# Altium PCB (Poly)TC364_MainBoard_PCB_V1.2.PcbDoc
Units mil, origin at the board's own origin, x right, y up, seen from the top; angles counter-clockwise.
Board outline 3464.57 x 2519.68 mil, 4 copper layers (Top Layer, GND02, POW03, Bottom Layer); 72 components, 69 nets, 284 pads, 57 vias.
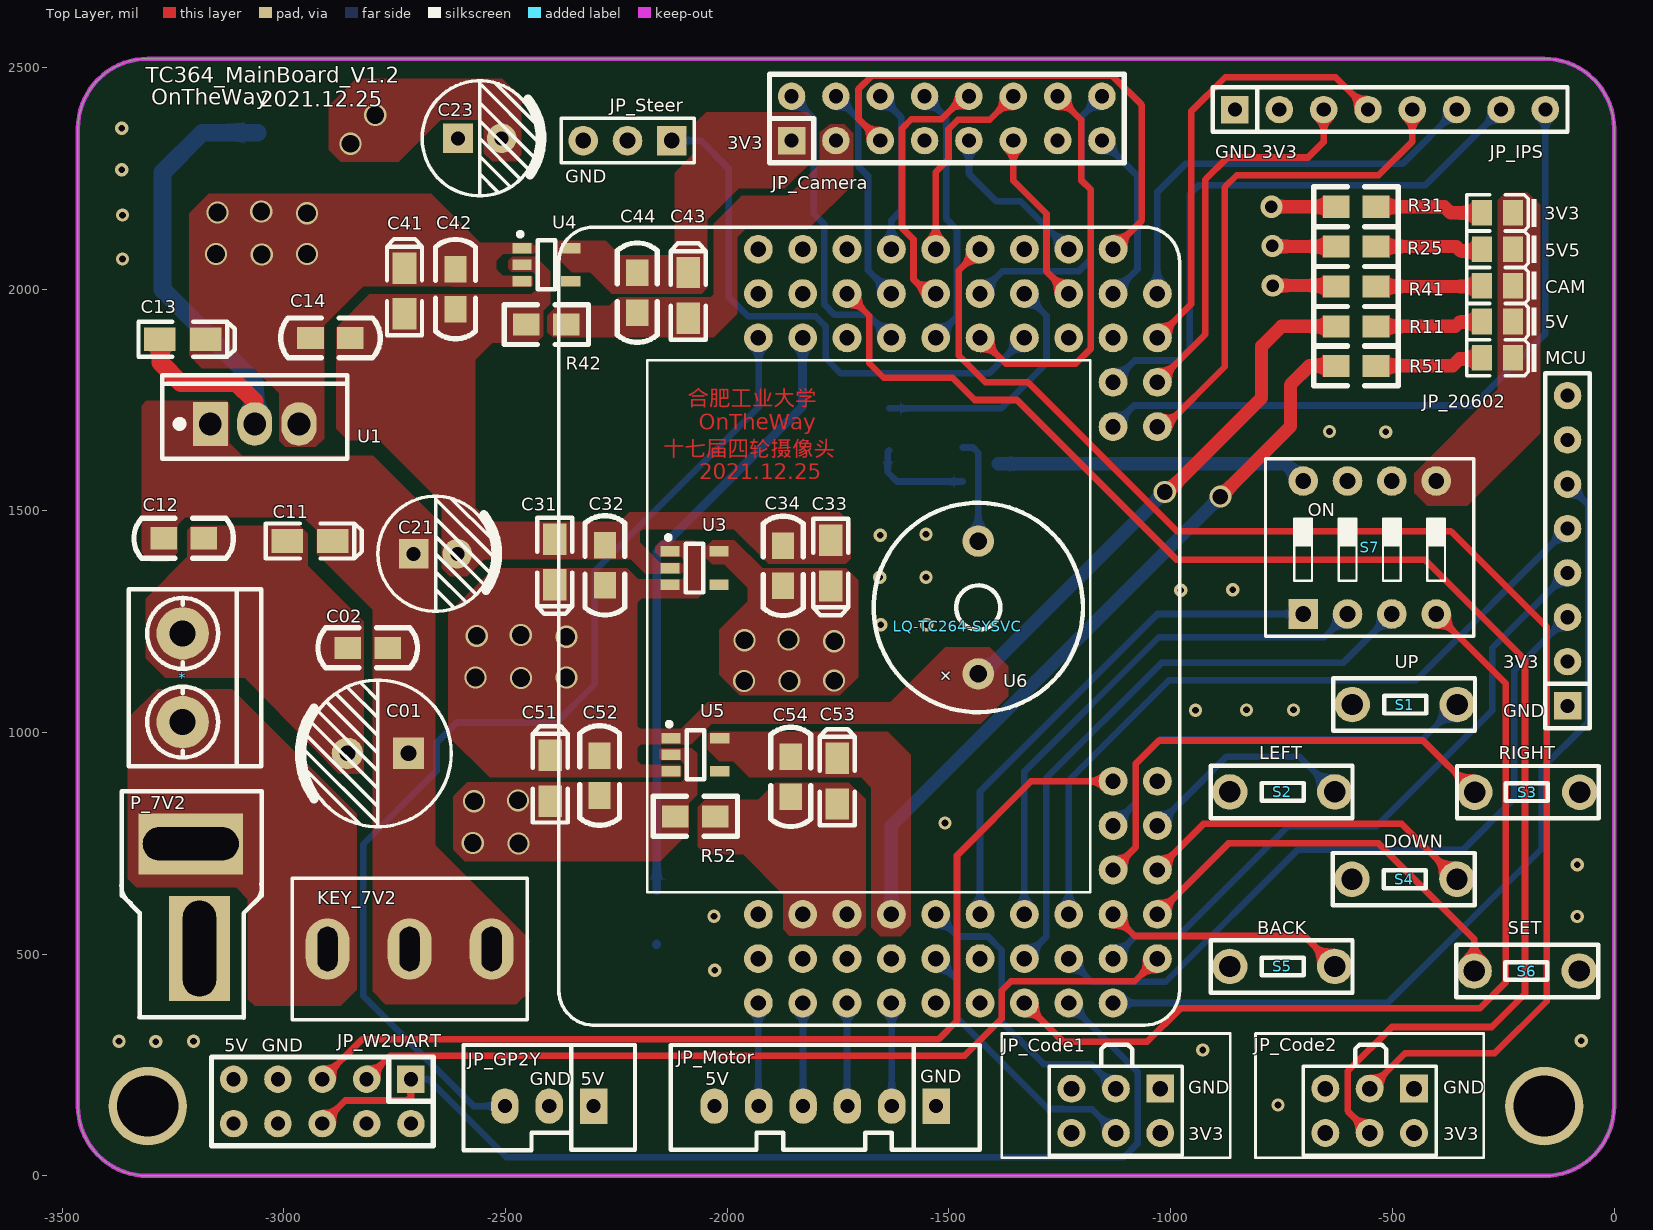
[diagram p0: Top Layer view]
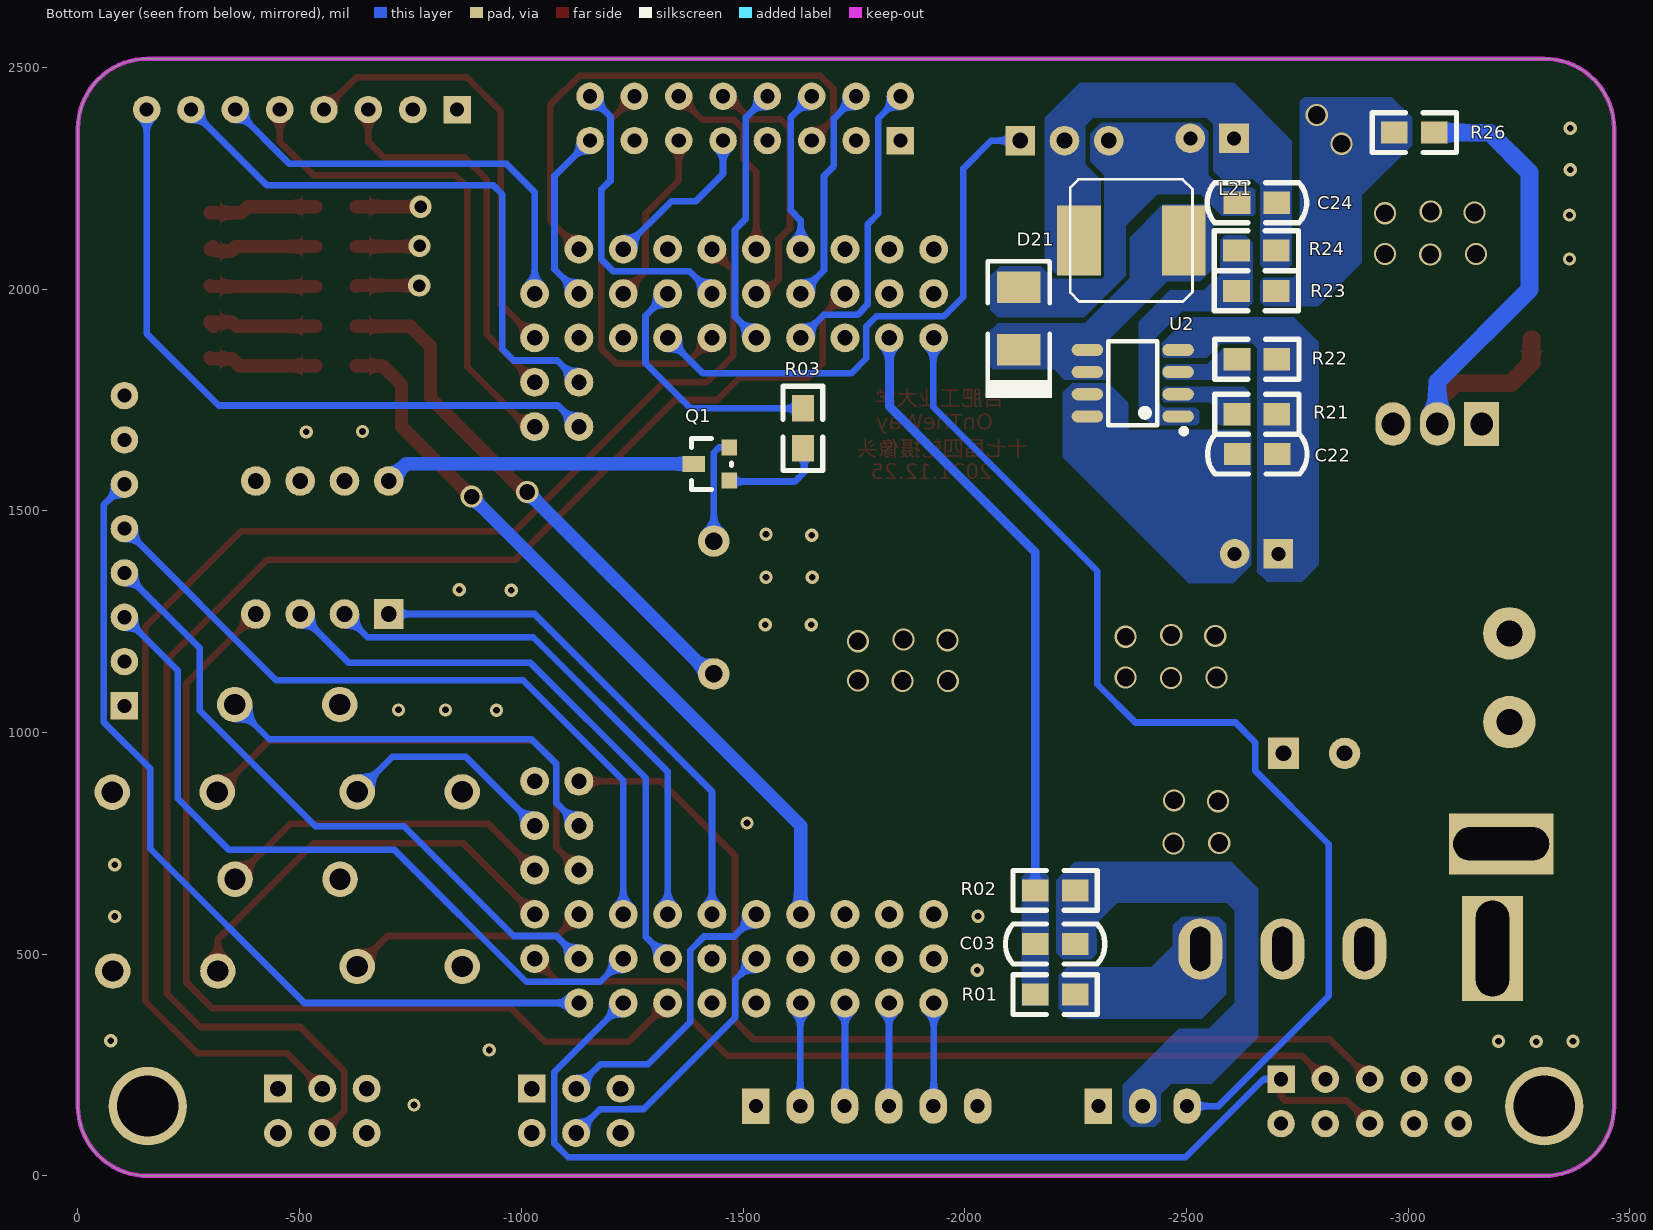
[diagram p1: Bottom Layer view, seen from below]
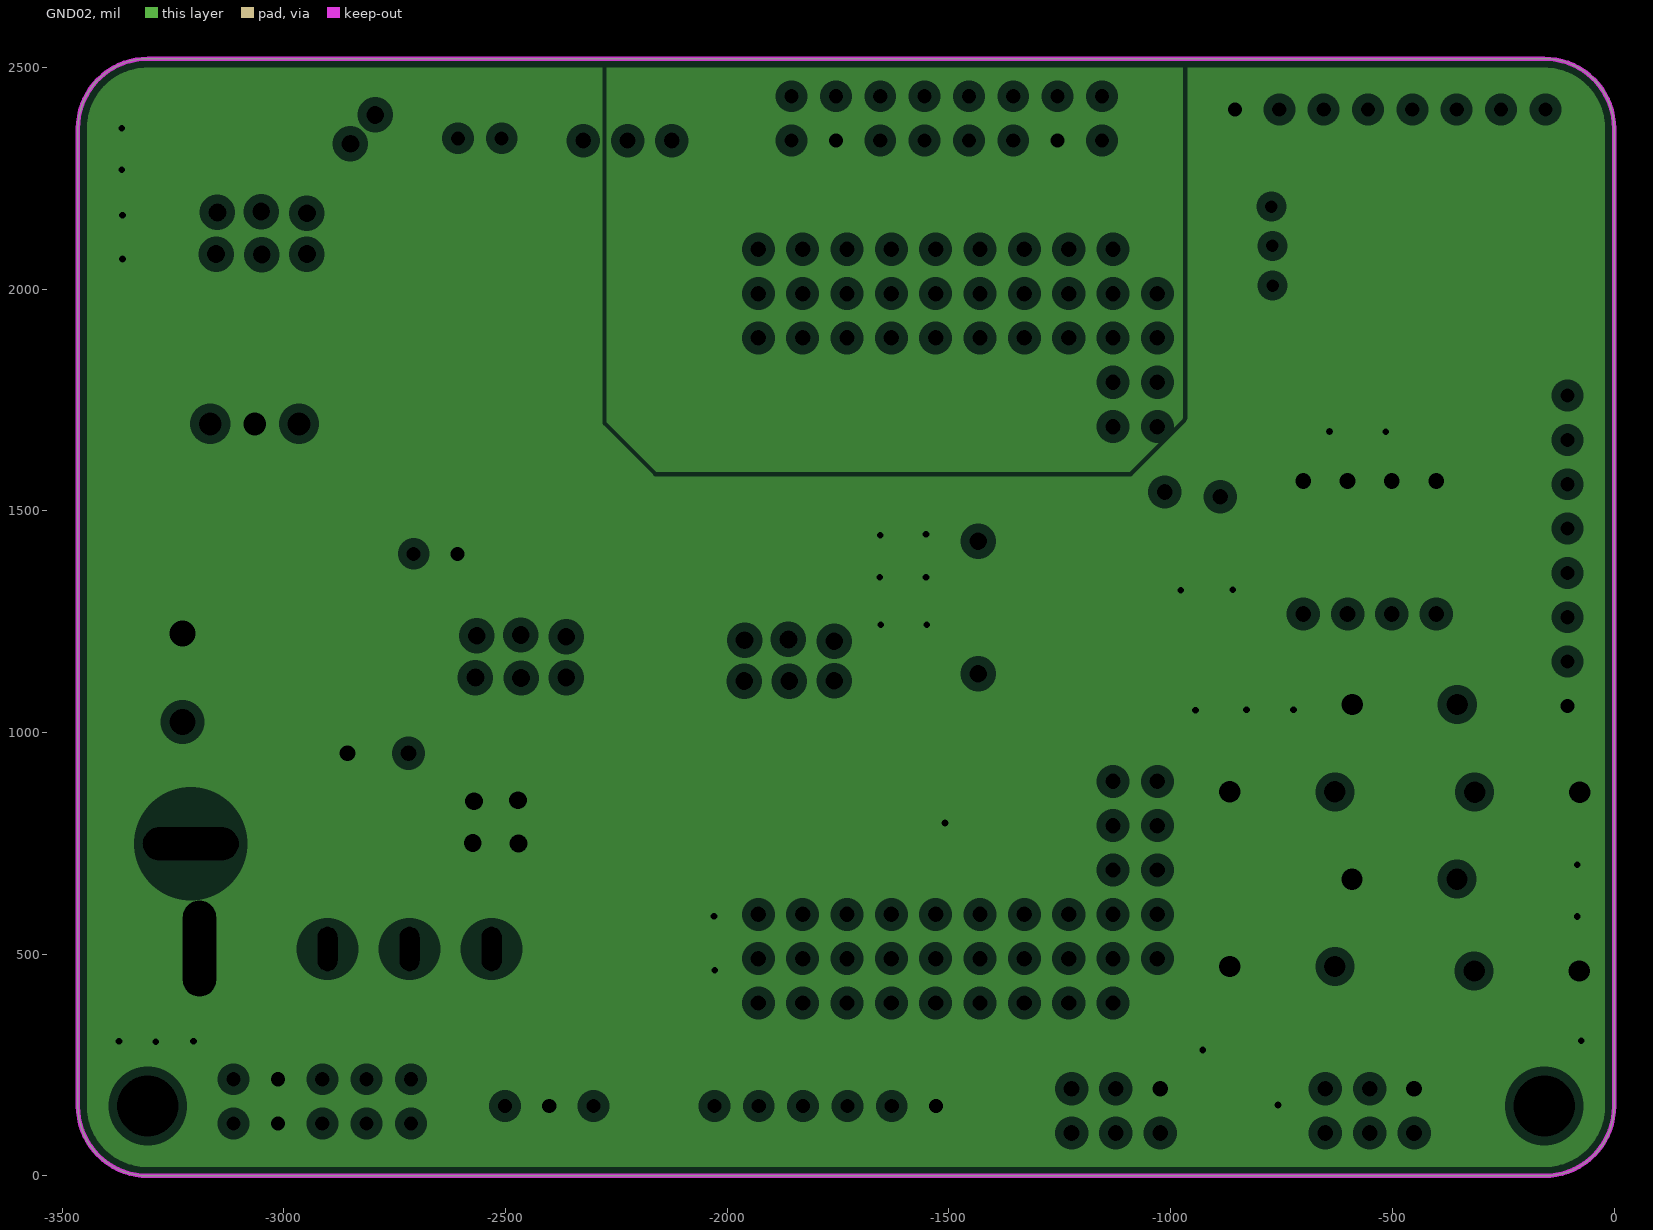
[diagram p2: GND02, clearances drawn from the general rule]
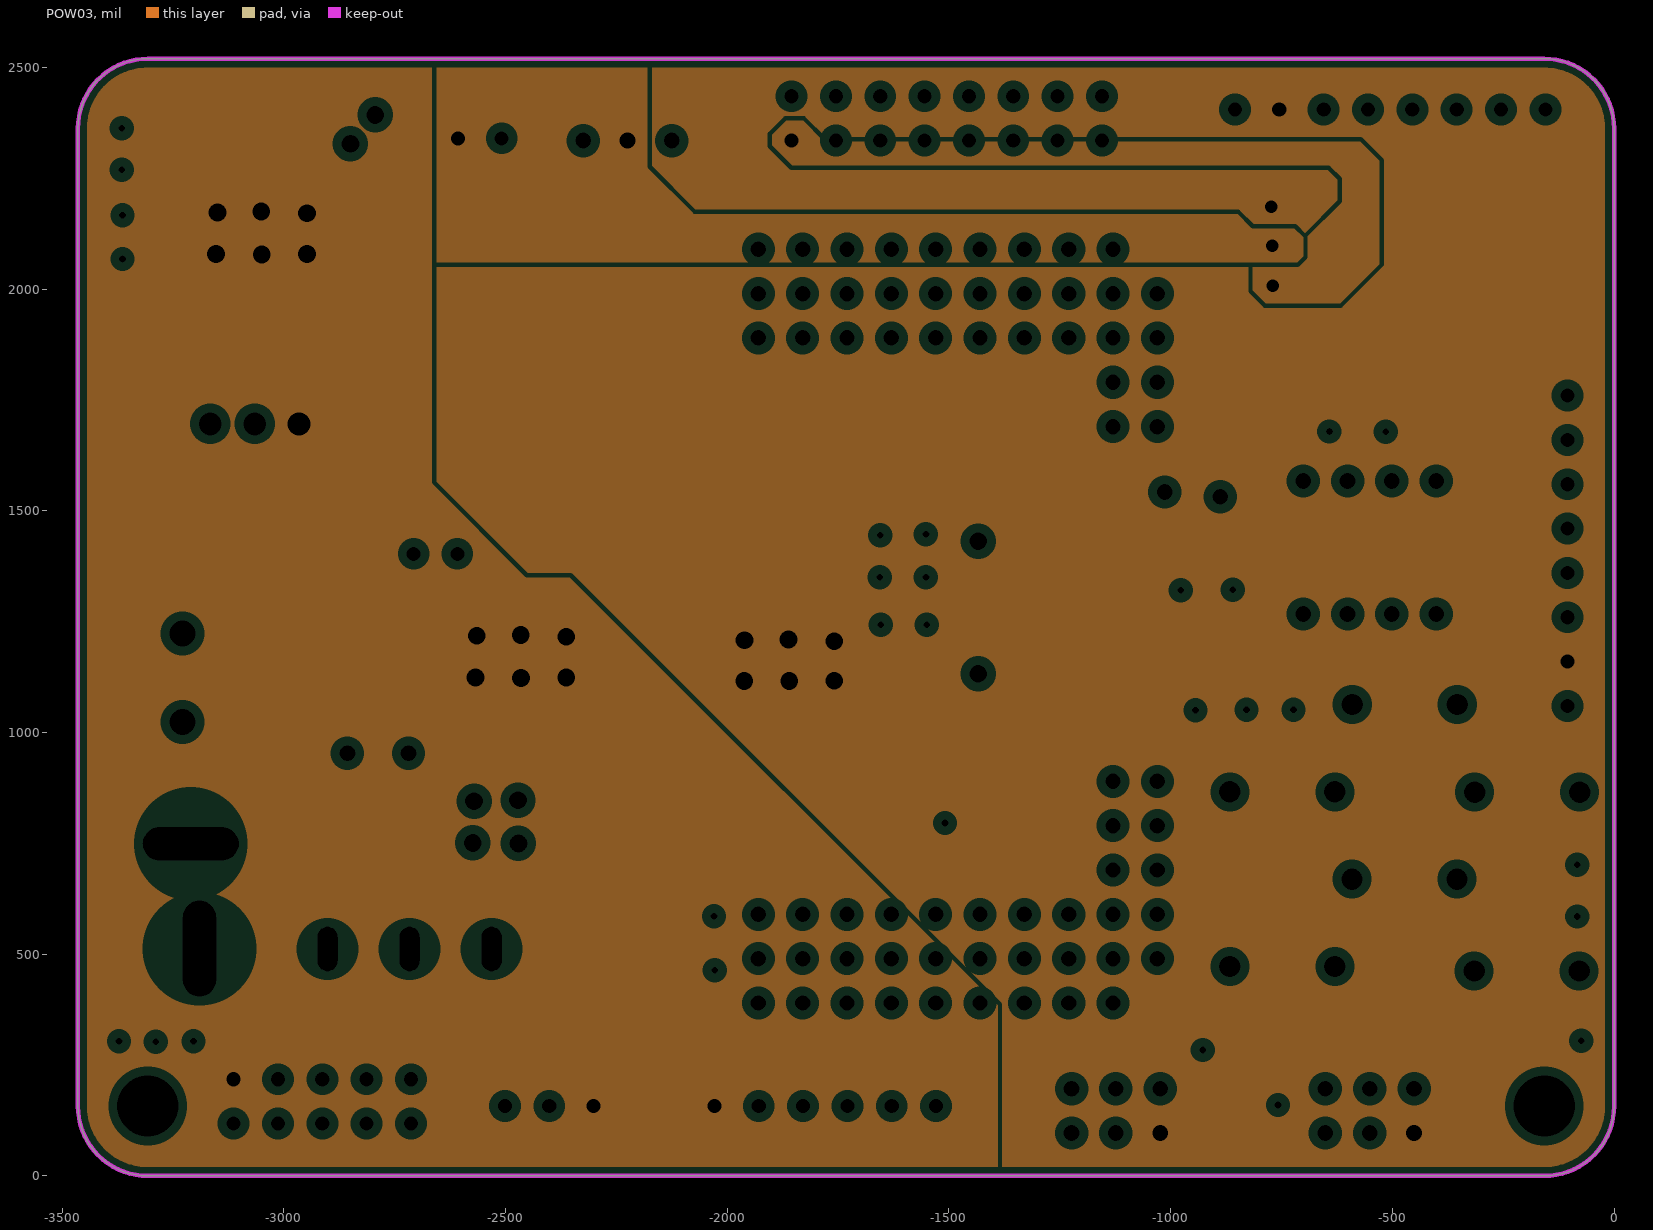
[diagram p3: POW03, clearances drawn from the general rule]

## Layer stack, top to bottom
Top Solder: solder mask 0.4, Solder Resist, Dk 3.5
Top Layer: signal copper 1.4
Dielectric 1: dielectric 12.6, FR-4, Dk 4.8
GND02: plane copper 1.4, net GND
Dielectric2: dielectric 12.6, FR-4, Dk 4.8
POW03: plane copper 1.4, net VCC3V3
Dielectric3: dielectric 12.6, FR-4, Dk 4.8
Bottom Layer: signal copper 1.4
Bottom Solder: solder mask 0.4, Solder Resist, Dk 3.5

## Board outline
-3464.57,157.48 -3464.57,2362.2 cw(c-3307.09,2362.2) -3307.09,2519.68 -157.48,2519.68 cw(c-157.48,2362.2) 0,2362.2 0,159.68 0,157.48 cw(c-157.48,157.48) -157.48,0 -3307.09,0 cw(c-3307.09,157.48)

## Design rules (kind name [scope] priority, off if disabled: settings)
Clearance [All] p1: gap=2 ignorepadtopadclearanceinfootprint=FALSE
HoleSize [All] p1 off: absolutevalues=TRUE maxlimit=100 minlimit=1 maxpercent=80.000 minpercent=20.000
MinimumSolderMaskSliver [All] p1: minsoldermaskwidth=2
PlaneClearance [All] p1: clearance=20
PlaneConnect [All] p1: planeconnectstyle=Direct reliefexpansion=20 reliefentries=4 reliefconductorwidth=10 reliefairgap=10
PolygonConnect [All] p1: connectstyle=Direct reliefconductorwidth=10 reliefentries=4 polygonreliefangle="90 Angle" airgapwidth=10
RoutingVias [All] p1: holewidth=28 width=50 viastyle="Through Hole" minholewidth=28 minwidth=50 maxholewidth=28 maxwidth=50
SilkToSilkClearance [All] p1 off: silktosilkclearance=10
SilkToSolderMaskClearance [IsPad] p1 off: minsilkscreentomaskgap=10 clearancetoexposedcopper=TRUE
SolderMaskExpansion [All] p1: expansion=4
Width [All] p1: maxlimit=50 minlimit=10 preferedwidth=10
24 further rules are at their usual default settings.

## Classes and differential pairs
component class TC364_MainBoard_Singal_V1.1: C03 JP_20602 JP_Camera JP_Code1 JP_Code2 JP_GP2Y JP_IPS JP_Motor JP_Steer JP_W2UART LEFT Q1 R01 R02 R03 S1 S2 S3 S4 S5 S6 S7 U6 UP
component class TC364_MainBoard_Power_V1.1: 3V3 5V 5V5 * C01 C02 C11 C12 C13 C14 C21 C22 C23 C24 C31 C32 C33 C34 C41 C42 C43 C44 C51 C52 C53 C54 CAM D21 KEY_7V2 L21 MCU P_7V2 R11 R21 R22 R23 R24 R25 R26 R31 R41 R42 R51 R52 U1 U2 U3 U4 U5

## Components (designator, comment, footprint, x,y, rotation, side; value= is the part's Value field where it differs from the comment)
3V3 "LED" 0805_LED_S1 -263,2172 r180 top (schematic designator D_3V3)
5V "LED" 0805_LED_S1 -263,1927 r180 top (schematic designator D_5V)
5V5 "LED" 0805_LED_S1 -263.04,2090 r180 top (schematic designator D_5V5)
* "KCF301" KF301-2P -3228.35,1123.62 r0 top
C01 "680uF/16V" "CAP 3.5*8*11.5 - GD" -3295.68,807.33 r0 top
C02 "0.1uF" 0805C -2766,1191 r180 top
C03 "0.1uF" 0805C -2159,523 r180 bottom
C11 "10uF/16V" CASE-A_3216 -2941,1432 r0 top
C12 "0.1uF" 0805C -3271,1438 r0 top
C13 "10uF/16V" CASE-A_3216 -3228,1887 r0 top
C14 "0.1uF" 0805C -2940,1890 r0 top
C21 "330uF/16V" "CAP 2.5*6.3*11.2 - BK" -2658,1403 r0 top
C22 "0.1uF" 0805C -2705,1628 r0 bottom
C23 "330uF/16V" "CAP 2.5*6.3*11.2 - BK" -2558.21,2340 r0 top
C24 "0.1uF" 0805C -2704,2195 r0 bottom
C31 "10uF/16V" CASE-A_3216 -2389,1384.57 r270 top
C32 "0.1uF" 0805C -2276,1332 r90 top
C33 "10uF/16V" CASE-A_3216 -1767,1382 r270 top
C34 "0.1uF" 0805C -1874,1331 r90 top
C41 "10uF/16V" CASE-A_3216 -2728,1996 r90 top
C42 "0.1uF" 0805C -2613,2045 r270 top
C43 "10uF/16V" CASE-A_3216 -2088,1986 r90 top
C44 "0.1uF" 0805C -2203,2037 r270 top
C51 "10uF/16V" CASE-A_3216 -2399,897 r90 top
C52 "0.1uF" 0805C -2288,948 r270 top
C53 "10uF/16V" CASE-A_3216 -1752,890.43 r90 top
C54 "0.1uF" 0805C -1857,945 r270 top
CAM "LED" 0805_LED_S1 -263,2008 r180 top (schematic designator D_CAM)
D21 "SS54" SMA -2122,2004.73 r270 bottom
JP_20602 "HDR-1X7" SIP8 -105,1060 r90 top
JP_Camera "HEADER 8X2" "IDC16-JLC - duplicate" -1855,2335 r0 top
JP_Code1 "Header3X2" HDR2.54-LI-2x3P -1123.62,146.85 r180 top
JP_Code2 "Header3X2" HDR2.54-LI-2x3P -551.18,146.85 r180 top
JP_GP2Y "HDR-1X3" SIP3N -2301.57,157.48 r180 top
JP_IPS "HDR-1X7" SIP8 -855,2405 r0 top
JP_Motor "HDR-1X6" SIP6N -1529.13,157.48 r180 top
JP_Steer "HDR-1X3" HDR2.54-LI-3P -2225,2335 r180 top
JP_W2UART "HEADER 5X2" IDC10-JLC -2713.39,218.11 r180 top
KEY_7V2 "SS-12F23" KEY_7V2 -2716.54,511.81 r0 top
L21 "33uH" "7*7 L" -2494,2110 r0 bottom
LQ-TC264-SYSVC "LQ-TC264-SYSVC" TC364V1.2 -2330,1990 r0 top
MCU "LED" 0805_LED_S1 -263,1845 r180 top (schematic designator D_MCU)
P_7V2 "T_Type_Adapter" T_Type_Adapter -3192.32,561.78 r90 top
Q1 "PNP8550" PNP8550-SO -1469,1568 r90 bottom
R01 "200K" 0805R -2159,409 r180 bottom
R02 "100K" 0805R -2249,644 r0 bottom
R03 "1K" 0805R -1635,1731 r270 bottom
R11 "4.7K" 0805R -627,1916 r0 top
R21 "1K" 0805R -2614,1718 r180 bottom
R22 "2.7K" 0805R -2614,1842 r180 bottom
R23 "3.9K" 0805R -2613,1996 r180 bottom
R24 "22K" 0805R -2703,2087 r0 bottom
R25 "4.7K" 0805R -627,2096 r0 top
R26 "0" 0805R -2969,2353 r180 bottom
R31 "4.7K" 0805R -627,2186 r0 top
R41 "4.7K" 0805R -627,2006 r0 top
R42 "0" 0805R -2363,1920 r180 top
R51 "4.7K" 0805R -627,1827 r0 top
R52 "0" 0805R -2027,811 r180 top
S1 "SW-PB" KEY2-6X3 -353.7,1062.99 r180 top
S2 "SW-PB" KEY2-6X3 -629.92,866.14 r180 top
S3 "SW-PB" KEY2-6X3 -314.33,865.52 r0 top
S4 "SW-PB" KEY2-6X3 -354.33,669.29 r180 top
S5 "SW-PB" KEY2-6X3 -629.92,472.44 r180 top
S6 "SW-PB" KEY2-6X3 -315.59,462 r0 top
S7 "SW-4P" "CSW DIP-4P" -551.18,1417.32 r0 top
U1 "SPX2940-5.0V" TO-220(TO-220-3) -3066,1696 r0 top
U2 "AS1015" SOP-8_150mil -2379,1788 r90 bottom
U3 "RT9013-3.3" SOT-23-5 -2074,1371 r180 top
U4 "RT9013-3.3" SOT-23-5 -2408,2055 r180 top
U5 "RT9013-3.3" SOT-23-5 -2072,950 r180 top
U6 "BUZ" BUZ -1434,1282 r90 top

## Footprints (in the part's own frame and the unit in brackets; to place one, negate y for a bottom-side part, rotate by r counter-clockwise, add the part's x,y. Pads: shape width x height; smd on the part's side, far side on the other; paste and mask are expansions set on the pad)
"7*7 L" [mm]
  rect 2.5x4 smd: 1(0,0) 2(6,0)
  silkscreen extent -0.5,-3.5 6.5,3.5
0805_LED_S1 [mm]
  rect 1.16x1.47 smd: A(0.89,0) K(-0.89,0)
  silkscreen extent -2.24,-1.04 1.77,1.03, body extent -1.01,-0.62 1.01,0.62, height 1.1
0805C [mil]
  rect 60x50 smd: 1(0,0) 2(90,0)
  silkscreen extent -67,-45 157,45, body extent 6,-26 84,26, height 29
0805R [mil]
  rect 60x50 smd: 1(0,0) 2(90,0)
  silkscreen extent -50,-45 140,45, body extent 1,-26 91,28, height 30
BUZ [mm]
  round 1.8 hole 1: 1(-3.8,0) 2(3.8,0)
  silkscreen extent -6,-6 6,6
"CAP 2.5*6.3*11.2 - BK" [mm] "脚距2.5mm直径6.3mm高度11.2mm             淘宝ID:黄晶宝石"
  rect 1.7x1.7 hole 0.8: 1(-1.25,0)
  round 1.7 hole 0.8: 2(1.25,0)
  silkscreen extent -3.3,-3.3 3.56,3.3, body extent -3.15,-3.15 3.16,3.15, height 11.24
"CAP 3.5*8*11.5 - GD" [mm]
  rect 1.8x1.8 hole 0.9: 1(14.648,3.7)
  round 1.8 hole 0.9: 2(11.148,3.7)
  silkscreen extent 8.4,-0.5 17.1,7.9, body extent 8.89,-0.3 16.9,7.7, height 11.54
CASE-A_3216 [mm]
  rect 1.8x1.35 smd: 1(1.31,0) 2(-1.31,0)
  silkscreen extent -2.54,-1 2.97,1, body extent -1.7,-0.84 1.7,0.84, height 1.71
"CSW DIP-4P" [mm] "11.7*9.9*7mm"
  rect 1.7x1.7 hole 0.9: 1(-3.81,-3.81)
  round 1.7 hole 0.9: 2(-1.27,-3.81) 3(1.27,-3.81) 4(3.81,-3.81) 5(3.81,3.81) 6(1.27,3.81) 7(-1.27,3.81) 8(-3.81,3.81)
  silkscreen extent -5.97,-5.08 5.97,5.08, body extent -5.86,-4.95 5.86,4.95, height 6.65
HDR2.54-LI-2x3P [mm] "封装库来自淘宝卖家 ID：黄晶宝石"
  rect 1.6x1.6 hole 0.9: 1(-2.54,-1.27)
  round 1.6 hole 0.9: 2(-2.54,1.27) 3(0,-1.27) 4(0,1.27) 5(2.54,-1.27) 6(2.54,1.27)
  silkscreen extent -3.81,-2.54 3.81,2.54, body extent -3.81,-2.54 3.81,2.54, height 8.5
HDR2.54-LI-3P [mm] "排针，3脚"
  rect 1.7x1.7 hole 0.9: 1(-2.54,0)
  round 1.7 hole 0.9: 2(0,0) 3(2.54,0)
  silkscreen extent -3.81,-1.27 3.81,1.27, body extent -3.81,-1.27 3.81,1.27, height 8.5
IDC10-JLC [mil]
  rect 62x62 hole 32: 1(0,0)
  round 62 hole 32: 2(0,100) 3(100,0) 4(100,100) 5(200,0) 6(200,100) 7(300,0) 8(300,100) 9(400,0) 10(400,100)
  silkscreen extent -50,-50 450,150, body extent -53,-45 447,155, height 315
"IDC16-JLC - duplicate" [mil]
  rect 62x62 hole 32: 1(0,0)
  round 62 hole 32: 2(0,100) 3(100,0) 4(100,100) 5(200,0) 6(200,100) 7(300,0) 8(300,100) 9(400,0) 10(400,100) 11(500,0) 12(500,100) 13(600,0) 14(600,100) 15(700,0) 16(700,100)
  silkscreen extent -50,-50 750,150, body extent -50,-51 750,149, height 142
KEY2-6X3 [mil]
  round 80 hole 48: 1(0,0) 2(236.85,0)
  silkscreen extent -40,-59 280,59, body extent -37,-68 271,70, height 170
KEY_7V2 [mil]
  oval 99x138 hole 45 slot 100 at 90 deg: 1(-185.04,0) 2(0,0) 3(185.04,0)
  silkscreen extent -265,-160 265,160
KF301-2P [mm]
  round 3 hole 1.5: 1(0,-2.54) 2(0,2.54)
  silkscreen extent -3.1,-5.08 4.5,5.08
PNP8550-SO [mil]
  rect 36x36 smd: 1(0,0) 2(75,0)
  rect 36x50 smd: 3(38,80)
  silkscreen extent -20,-5 95,85, body extent -21,-8 97,90, height 42
SIP3N [mil]
  rect 62x80 hole 32: 1(0,0)
  oval 62x80 hole 32: 2(100,0) 3(200,0)
  silkscreen extent -93,-138 293,100, body extent -99,-128 297,96, height 277
SIP6N [mil]
  rect 62x80 hole 32: 1(0,0)
  oval 62x80 hole 32: 2(100,0) 3(200,0) 4(300,0) 5(400,0) 6(500,0)
  silkscreen extent -98,-138 598,98, body extent -99,-129 597,95, height 277
SIP8 [mil]
  rect 62x62 hole 32: 1(0,0)
  round 62 hole 32: 2(100,0) 3(200,0) 4(300,0) 5(400,0) 6(500,0) 7(600,0) 8(700,0)
  silkscreen extent -50,-50 750,50, body extent -50,-50 750,50, height 335
SMA [mm]
  rect 1.8x2.5 smd: 1(0,0) 2(3.6,0)
  silkscreen extent -1.47,-1.9 6.35,1.91
SOP-8_150mil [mm]
  oval 0.7x1.8 smd: 1(-1.905,-2.6) 2(-0.635,-2.6) 3(0.635,-2.6) 4(1.905,-2.6) 5(1.905,2.6) 6(0.635,2.6) 7(-0.635,2.6) 8(-1.905,2.6)
  silkscreen extent -2.9,-3.07 2.4,1.4, body extent -2.5,-3.1 2.5,3.1, height 1.75
SOT-23-5 [mm]
  rect 1.1x0.6 smd: 1(1.4,-0.95) 2(1.4,0) 3(1.4,0.95) 4(-1.4,0.95) 5(-1.4,-0.95)
  silkscreen extent -0.5,-1.87 1.62,1.4
T_Type_Adapter [mm]
  rect 6x3.5 hole 1.905 slot 5.49 at 0 deg: 1(-1.245,-0.051)
  rect 3.5x6 hole 1.905 slot 5.49 at 90 deg: 2(4.755,0.449)
  silkscreen extent -5.21,-3.61 7.77,4.42
TC364V1.2 [mm]
  round 1.65 hole 0.88 mask+0.102: 35(10.16,-40.64) 38(12.7,-40.64) 41(15.24,-40.64) 44(17.78,-40.64) 47(20.32,-40.64) 50(22.86,-40.64) 53(25.4,-40.64) 56(27.94,-40.64) 59(30.48,-40.64) 92(30.48,2.54) 95(27.94,2.54) 98(25.4,2.54) 101(22.86,2.54) 104(20.32,2.54) 107(17.78,2.54) 110(15.24,2.54) 113(12.7,2.54) 116(10.16,2.54)
  round 1.65 hole 0.88: 36(10.16,-38.1) 37(10.16,-35.56) 39(12.7,-38.1) 40(12.7,-35.56) 42(15.24,-38.1) 43(15.24,-35.56) 45(17.78,-38.1) 46(17.78,-35.56) 48(20.32,-38.1) 49(20.32,-35.56) 51(22.86,-38.1) 52(22.86,-35.56) 54(25.4,-38.1) 55(25.4,-35.56) 57(27.94,-38.1) 58(27.94,-35.56) 60(30.48,-38.1) 61(30.48,-35.56) 62(33.02,-38.1) 63(33.02,-35.56) 64(33.02,-33.02) 65(30.48,-33.02) 66(33.02,-30.48) 67(30.48,-30.48) 68(33.02,-27.94) 69(30.48,-27.94) 84(33.02,-7.62) 85(30.48,-7.62) 86(33.02,-5.08) 87(30.48,-5.08) 88(33.02,-2.54) 89(33.02,0) 90(30.48,-2.54) 91(30.48,0) 93(27.94,-2.54) 94(27.94,0) 96(25.4,-2.54) 97(25.4,0) 99(22.86,-2.54) 100(22.86,0) 102(20.32,-2.54) 103(20.32,0) 105(17.78,-2.54) 106(17.78,0) 108(15.24,-2.54) 109(15.24,0) 111(12.7,-2.54) 112(12.7,0) 114(10.16,-2.54) 115(10.16,0)
  silkscreen extent -1.27,-41.91 34.29,3.81
TO-220(TO-220-3) [mm]
  rect 2x2.5 hole 1.3: 1(-2.54,0)
  oval 2x2.5 hole 1.3: 2(0,0) 3(2.54,0)
  silkscreen extent -5.3,-2 5.3,2.8, body extent -5.08,-1.45 5.08,2.9, height 19.6

## Part data
3V3 5V 5V5 CAM MCU: "发光二极管"
C01 C11 C13 C21 C23 C31 C33 C41 C43 C51 C53: library part "Cap Pol1", "Polarized Capacitor (Radial)", LatestRevisionDate=17-Jul-2002, LatestRevisionNote="Re-released for DXP Platform.", PackageDescription="Polarized Capacitor (Radial); 2 Leads", PackageReference=RB7.6-15, Published=8-Jun-2000, Publisher="Altium Limited"
C02 C03 C12 C14 C22 C24 C32 C34 C42 C44 C52 C54: library part CAP, "Capacitor"
D21: library part SS34, "肖特基二极管", 属性=40V
JP_20602 JP_IPS: library part "HEADER 8", "8 Pin Header"
JP_Code1 JP_Code2: library part "Header 3X2", "3*2P接插件"
JP_GP2Y JP_Steer: library part "Header 3", "3P接插件", 学习资源=https://shop46360144
JP_Motor: library part "HEADER 6"
KEY_7V2: library part SSW-1P, "1路波动开关", 学习资源=ww
L21: library part L-CDRH, "功率屏蔽电感", 联系售后=https://shop463601444.t
Q1: library part PNP, "PNP Transistor"
R01 R02 R03 R11 R25 R26 R31 R41 R42 R51 R52: library part RES
R21 R22 R23 R24: library part RES, "贴片电阻", 学习资源=www.o
S1 S2 S3 S4 S5 S6: "按键"
S7: "4路编码开关", 学习资源=https://shop46360144
U1: library part LM2940, "5V稳压芯片", BOM名称=5V, 联系售后=www.o
U2: "可调升压芯片"
U6: library part BELL, "Bell"

## Free pads (board coordinates)
  round 177.17 hole 137.8: 2(-3307.09,157.48) 2(-157.48,157.48)

## Via types
v1: diameter 30, hole 15, Top Layer to Bottom Layer, 28 vias
v2: diameter 50, hole 40, Top Layer to Bottom Layer, 24 vias
v3: diameter 50, hole 28, Top Layer to Bottom Layer, 3 vias
v4: diameter 50, hole 35, Top Layer to Bottom Layer, 2 vias
